# Altium PCB PCB2.PcbDoc (part 4 of 5)
Units mm, origin at the board's own origin, x right, y up, seen from the top; angles counter-clockwise.
Board outline 100 x 100 mm, 4 copper layers (Top Layer, Int1 (GND), Int2 (PWR), Bottom Layer), stack 1.605 mm thick; 304 components, 271 nets, 993 pads, 338 vias.
Unrouted connection lines stored in the file: 123.
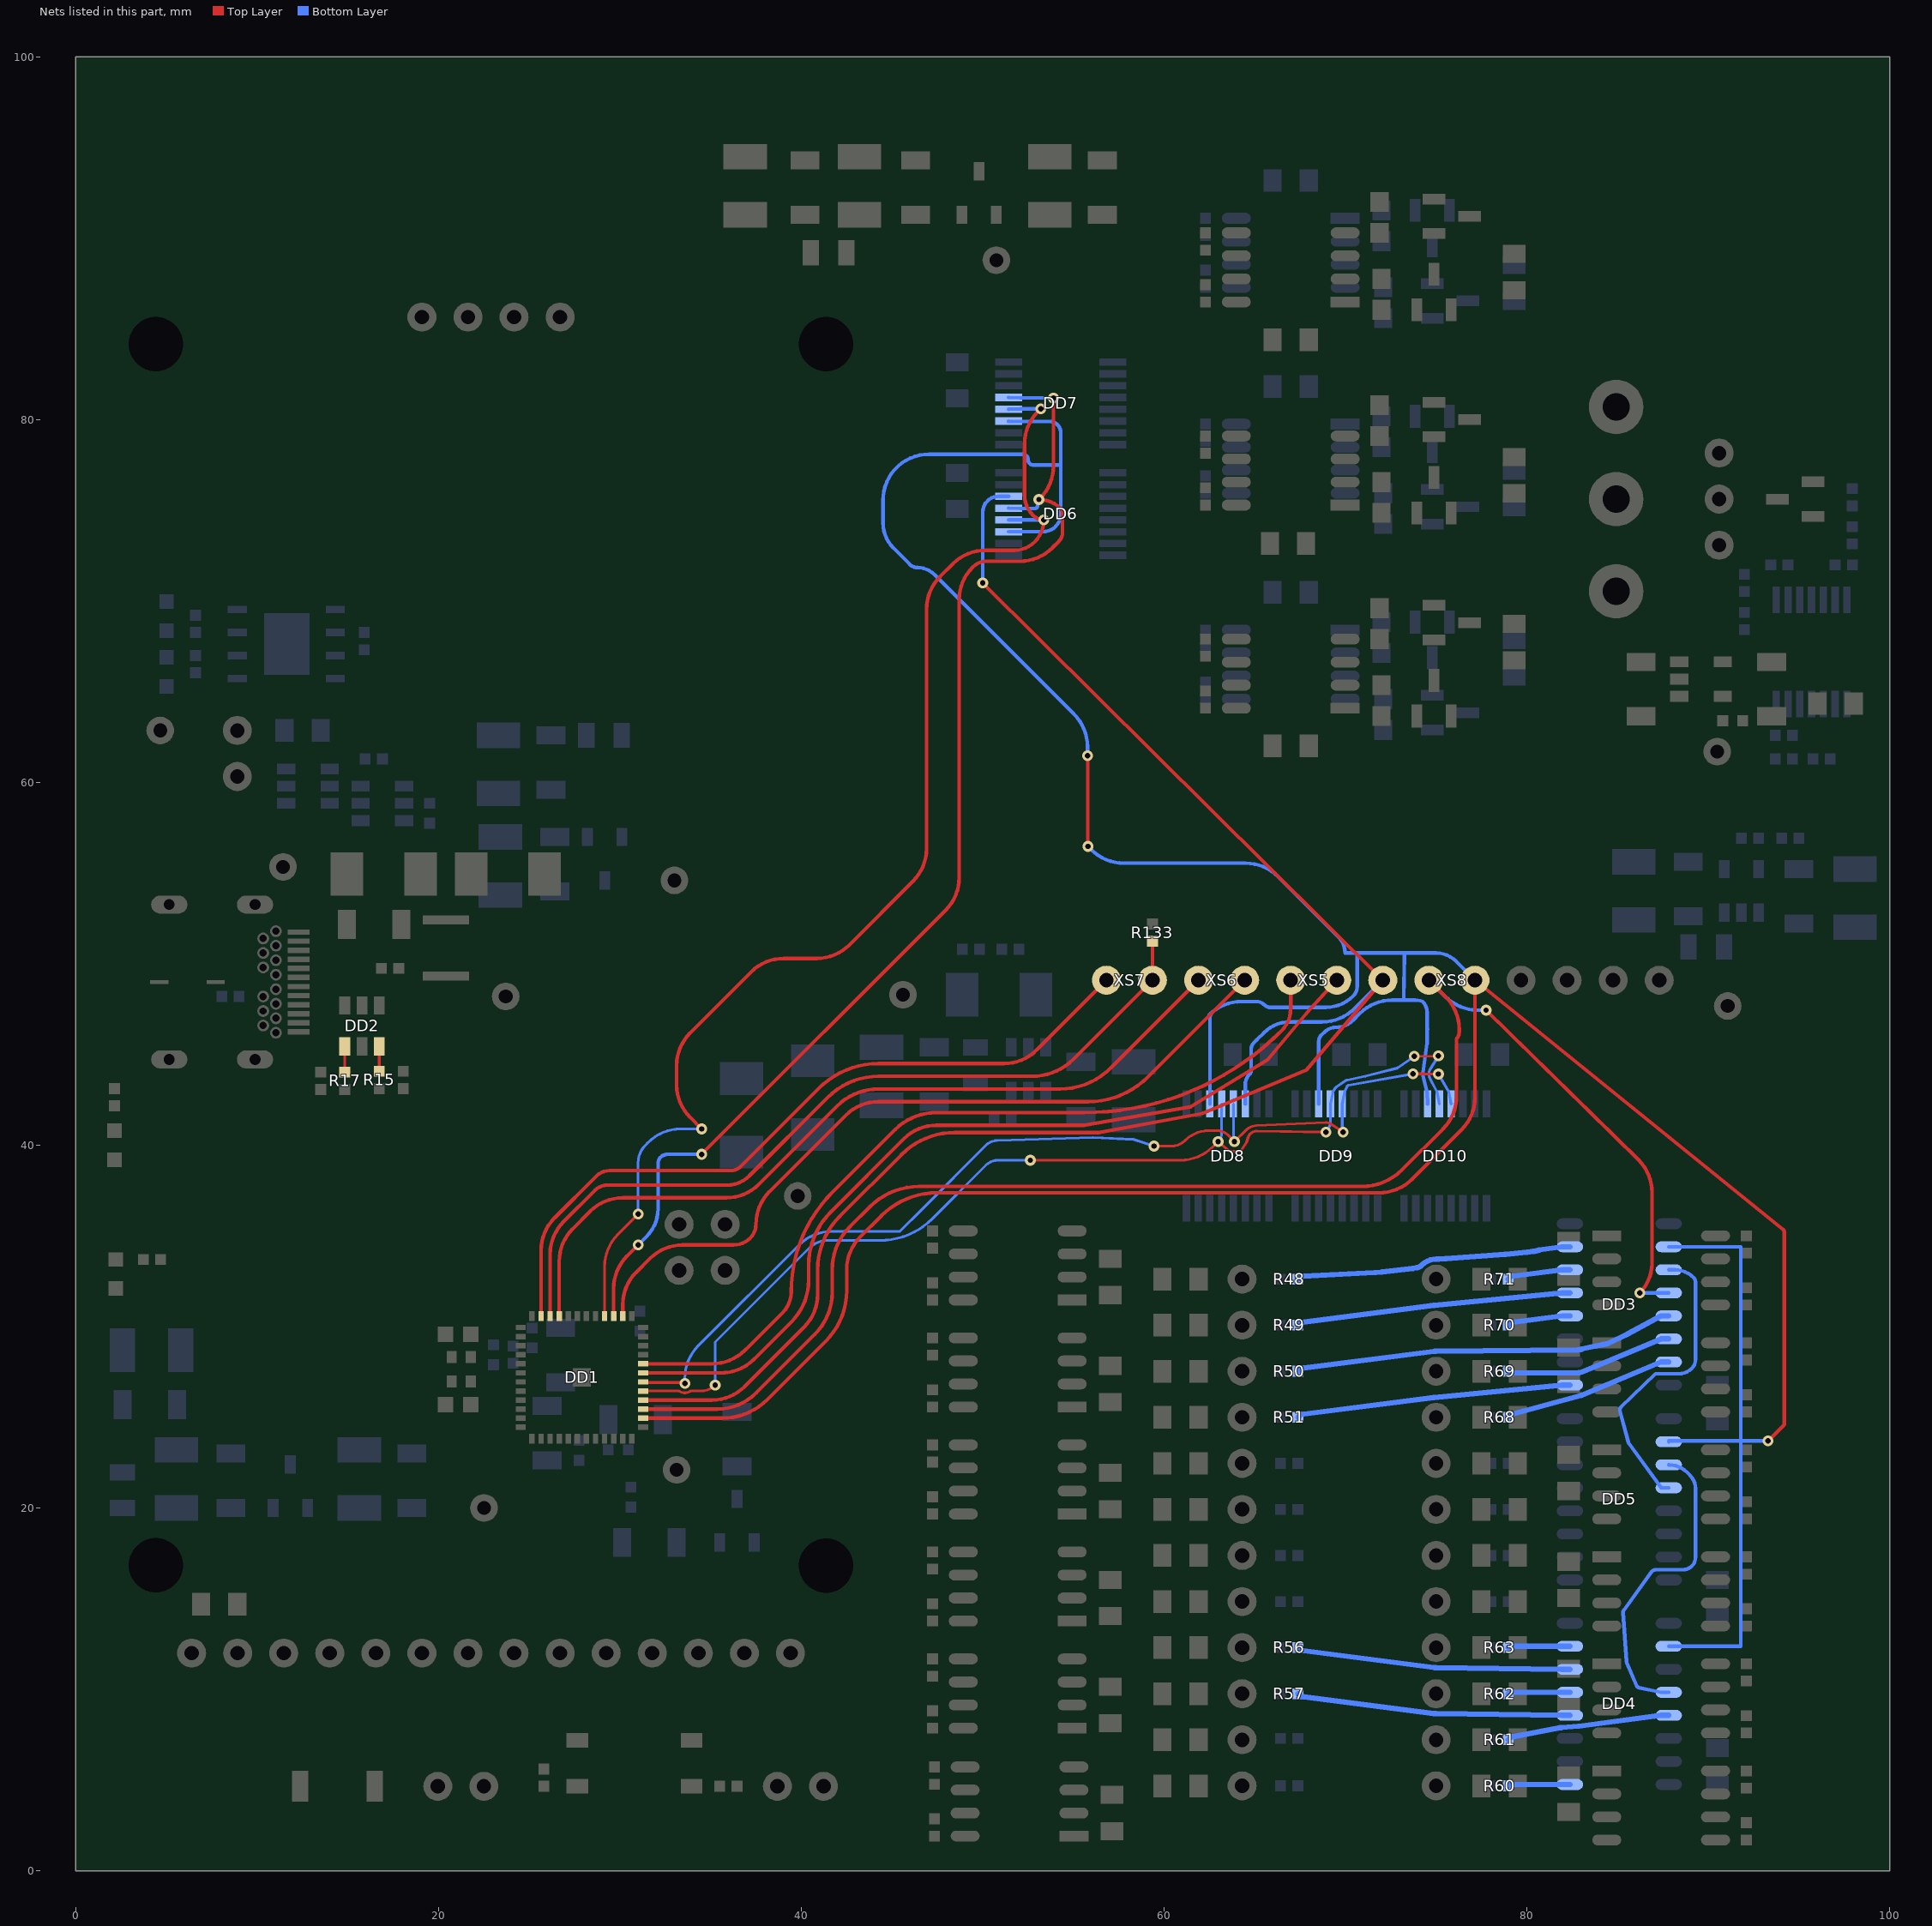
[diagram p6: the nets of this part, all layers, seen from the top]

## Via types
v1: diameter 1, hole 0.5, Top Layer to Bottom Layer, 163 vias
v2: diameter 0.6, hole 0.3, Top Layer to Bottom Layer, tented both sides, 102 vias
v3: diameter 0.8, hole 0.4, Top Layer to Bottom Layer, tented both sides, 73 vias

## Nets (pads, with @x,y where several pads share a name; then routed paths per layer and width w, separated by ;. In a path a pad name is that pad's centre, name@x,y a point inside that pad or via, vN(x,y) a via of type N, cw(c..) or ccw(c..) an arc to the next point about the centre after c; other vN are vias at no path point) (continued)
NetDD1_26: DD1.26 DD3.10 DD4.10 DD5.10 DD6.11 DD7.11 DD8.11 DD9.11 DD10.11 XS8.2 | length 267.6
  Top Layer w0.2: DD1.26@31.275,24.95 35.631,24.95 ccw(c35.631,28.49) 38.135,25.987 41.347,29.2 ccw(c38.565,31.982) 42.5,31.982 42.5,33.148 ; v2(55.775,61.475) 55.787,61.463 55.787,56.488 v2(55.8,56.475) ; v2(93.3,23.7) 94.2,24.6 94.2,35.203 ; 42.5,33.148 cw(c45.04,33.148) 43.244,34.944 ; 42.5,33.148 cw(c45.04,33.148) 43.244,34.944 ; 42.5,33.148 cw(c45.04,33.148) 43.244,34.944 ; 42.5,33.148 cw(c45.04,33.148) 43.244,34.944 ; 42.5,33.148 cw(c45.04,33.148) 43.244,34.944 ; 42.5,33.148 cw(c45.04,33.148) 43.244,34.944 ; 42.5,33.148 cw(c45.04,33.148) 43.244,34.944 ; 42.5,33.148 cw(c45.04,33.148) 43.244,34.944 ; 43.244,34.944 44.406,36.106 cw(c47.47,33.043) 47.47,37.375 71.835,37.375 ccw(c71.835,40.005) 73.695,38.145 76.396,40.846 ccw(c74.6,42.642) 77.14,42.642 XS8.2@77.14,49.1 94.125,35.361 ; 94.126,35.36 cw(c93.998,35.206) 94.173,35.304 ; 94.126,35.36 cw(c93.998,35.206) 94.173,35.304 ; 94.126,35.36 cw(c93.998,35.206) 94.173,35.304 ; 94.126,35.36 cw(c93.998,35.206) 94.173,35.304 ; 94.126,35.36 cw(c93.998,35.206) 94.173,35.304 ; 94.126,35.36 cw(c93.998,35.206) 94.173,35.304 ; 94.126,35.36 cw(c93.998,35.206) 94.173,35.304 ; 94.126,35.36 cw(c93.998,35.206) 94.173,35.304 ; 94.173,35.304 94.174,35.301 ; 94.174,35.301 cw(c94,35.203) 94.2,35.203 ; 94.174,35.301 cw(c94,35.203) 94.2,35.203 ; 94.174,35.301 cw(c94,35.203) 94.2,35.203 ; 94.174,35.301 cw(c94,35.203) 94.2,35.203 ; 94.174,35.301 cw(c94,35.203) 94.2,35.203 ; 94.174,35.301 cw(c94,35.203) 94.2,35.203 ; 94.174,35.301 cw(c94,35.203) 94.2,35.203 ; 94.174,35.301 cw(c94,35.203) 94.2,35.203
  Bottom Layer w0.2: DD6.11@51.425,73.825 53.325,73.825 ; DD7.11@51.425,79.925 ccw(c51.45,79.925) 51.45,79.9 53.7,79.9 ; v2(55.775,61.475) 55.775,61.973 ; v2(55.8,56.475) v2@55.981,56.294 ; 62.481,47.181 cw(c64.277,45.385) 62.681,47.361 ; DD8.11@62.525,42.275 62.525,46.984 cw(c63.059,46.984) 62.681,47.361 ; DD9.11@68.525,42.275 68.525,45.719 cw(c69.023,45.719) 68.671,46.071 68.835,46.235 cw(c69.475,45.595) 69.475,46.5 ccw(c69.475,47.828) 70.414,46.889 70.781,47.256 cw(c72.577,45.46) 72.577,48 73.209,48 ; DD10.11@74.494,42.951 74.301,43.718 cw(c75.125,43.925) 74.283,44.04 74.498,45.606 74.498,46.335 ; DD10.11@74.5,42.911 DD10.11@74.525,42.275 ; 74.525,46.4 ccw(c74.59,46.335) 74.498,46.335 ; XS8.2@77.14,49.1 76.092,50.148 ; DD4.10@87.825,12.375 91.8,12.375 91.8,23.7 ; DD5.10@87.825,23.65 87.825,23.7 91.8,23.7 ; DD3.10@87.825,34.4 91.8,34.4 91.8,23.7 ; v2(93.3,23.7) 91.8,23.7 ; 52.2,78.1 cw(c52.2,77.8) 52.5,77.8 ; 52.2,78.1 cw(c52.2,77.8) 52.5,77.8 ; 52.2,78.1 47.04,78.1 ccw(c47.04,75.56) 44.5,75.56 44.5,74.313 ccw(c46.463,74.313) 45.075,72.925 45.973,72.027 ccw(c46.4,72.454) 46.4,71.85 cw(c46.4,70.522) 47.339,71.461 55.031,63.769 ; 52.5,77.8 ccw(c52.8,77.8) 52.8,77.5 ; 52.5,77.8 ccw(c52.8,77.8) 52.8,77.5 ; 52.8,77.5 54.3,77.5 ; 53.325,73.825 ccw(c53.325,74.8) 54.3,74.8 ; 53.325,73.825 ccw(c53.325,74.8) 54.3,74.8 ; 53.7,79.9 cw(c53.7,79.3) 54.3,79.3 ; 53.7,79.9 cw(c53.7,79.3) 54.3,79.3 ; 54.3,74.8 54.3,77.5 ; 54.3,77.5 54.3,79.3 ; 55.031,63.769 cw(c53.235,61.973) 55.775,61.973 ; 55.031,63.769 cw(c53.235,61.973) 55.775,61.973 ; v2@55.981,56.294 ccw(c57.777,58.09) 57.777,55.55 ; v2@55.981,56.294 ccw(c57.777,58.09) 57.777,55.55 ; 57.777,55.55 64.498,55.55 cw(c64.498,53.01) 66.294,54.806 69.604,51.496 cw(c68.708,50.6) 69.975,50.6 70.65,50.6 ; 62.681,47.361 cw(c64.277,45.385) 64.277,47.925 65.068,47.925 cw(c65.068,47.243) 65.55,47.725 ccw(c65.852,48.028) 65.852,47.6 68.916,47.6 ccw(c68.916,49.734) 70.425,48.225 ccw(c69.882,48.768) 70.65,48.768 70.65,50.6 ; 70.65,50.6 73.25,50.6 ; 73.209,48 73.84,48 cw(c73.84,46.89) 74.253,47.92 cw(c73.662,47.329) 74.498,47.329 74.498,46.335 ; 73.209,48 73.25,50.6 ; 73.25,50.6 75,50.6 ; 75,50.6 cw(c75,49.055) 76.092,50.148 ; 75,50.6 cw(c75,49.055) 76.092,50.148 ; 75,50.6 cw(c75,49.055) 76.092,50.148 ; 75,50.6 cw(c75,49.055) 76.092,50.148 ; 75,50.6 cw(c75,49.055) 76.092,50.148 ; 75,50.6 cw(c75,49.055) 76.092,50.148 ; 75,50.6 cw(c75,49.055) 76.092,50.148 ; 75,50.6 cw(c75,49.055) 76.092,50.148
NetDD1_27: DD1.27 DD3.12 XS8.3 | length 114.7
  Top Layer w0.2: DD1.27@31.275,25.45 35.352,25.45 ; XS8.3@74.6,49.1 75.531,48.169 cw(c73.735,46.373) 76.275,46.373 76.275,46.237 cw(c75.763,46.237) 76.125,45.875 76.125,42.702 ; v2(77.75,47.45) 86.156,39.194 cw(c84.36,37.398) 86.9,37.398 86.9,33.49 cw(c84.595,33.49) v2(86.225,31.86) ; 35.352,25.45 ccw(c35.352,28.49) 37.502,26.34 ; 35.352,25.45 ccw(c35.352,28.49) 37.502,26.34 ; 35.352,25.45 ccw(c35.352,28.49) 37.502,26.34 ; 35.352,25.45 ccw(c35.352,28.49) 37.502,26.34 ; 35.352,25.45 ccw(c35.352,28.49) 37.502,26.34 ; 35.352,25.45 ccw(c35.352,28.49) 37.502,26.34 ; 35.352,25.45 ccw(c35.352,28.49) 37.502,26.34 ; 35.352,25.45 ccw(c35.352,28.49) 37.502,26.34 ; 37.502,26.34 40.752,29.59 ccw(c38.463,31.88) 41.7,31.88 41.7,33.148 ; 41.7,33.148 cw(c45.04,33.148) 42.678,35.51 ; 41.7,33.148 cw(c45.04,33.148) 42.678,35.51 ; 41.7,33.148 cw(c45.04,33.148) 42.678,35.51 ; 41.7,33.148 cw(c45.04,33.148) 42.678,35.51 ; 42.678,35.51 43.775,36.606 cw(c46.476,33.905) 46.476,37.725 70.898,37.725 ccw(c70.898,40.868) 73.12,38.645 75.381,40.906 ; 75.381,40.906 ccw(c73.585,42.702) 76.125,42.702 ; 75.381,40.906 ccw(c73.585,42.702) 76.125,42.702
  Bottom Layer w0.2: XS8.3@74.6,49.1 75.506,48.194 ; v2(77.75,47.45) 77.302,47.45 ; v2@86.025,31.86 v2(86.225,31.86) DD3.12@87.825,31.86 ; 75.506,48.194 ccw(c77.302,49.99) 77.302,47.45 ; 75.506,48.194 ccw(c77.302,49.99) 77.302,47.45
NetDD1_28: DD1.28 DD6.14 DD8.14 XS8.4 | length 170.3
  Top Layer w0.2: DD1.28@31.275,25.95 35.073,25.95 ; v2(50,71) XS8.4@72.06,49.1 67.83,44.131 62.104,41.746 56.401,40.7 48.452,40.7 ccw(c48.452,36.56) 45.525,39.487 42.113,36.075 ; 35.073,25.95 ccw(c35.073,28.49) 36.869,26.694 ; 35.073,25.95 ccw(c35.073,28.49) 36.869,26.694 ; 35.073,25.95 ccw(c35.073,28.49) 36.869,26.694 ; 35.073,25.95 ccw(c35.073,28.49) 36.869,26.694 ; 35.073,25.95 ccw(c35.073,28.49) 36.869,26.694 ; 35.073,25.95 ccw(c35.073,28.49) 36.869,26.694 ; 35.073,25.95 ccw(c35.073,28.49) 36.869,26.694 ; 35.073,25.95 ccw(c35.073,28.49) 36.869,26.694 ; 36.869,26.694 40.156,29.981 ; 40.156,29.981 ccw(c38.36,31.777) 40.9,31.777 ; 40.156,29.981 ccw(c38.36,31.777) 40.9,31.777 ; 40.156,29.981 ccw(c38.36,31.777) 40.9,31.777 ; 40.156,29.981 ccw(c38.36,31.777) 40.9,31.777 ; 40.156,29.981 ccw(c38.36,31.777) 40.9,31.777 ; 40.156,29.981 ccw(c38.36,31.777) 40.9,31.777 ; 40.156,29.981 ccw(c38.36,31.777) 40.9,31.777 ; 40.156,29.981 ccw(c38.36,31.777) 40.9,31.777 ; 40.9,31.777 40.9,33.148 ; 40.9,33.148 cw(c45.04,33.148) 42.113,36.075 ; 40.9,33.148 cw(c45.04,33.148) 42.113,36.075 ; 40.9,33.148 cw(c45.04,33.148) 42.113,36.075 ; 40.9,33.148 cw(c45.04,33.148) 42.113,36.075 ; 40.9,33.148 cw(c45.04,33.148) 42.113,36.075 ; 40.9,33.148 cw(c45.04,33.148) 42.113,36.075 ; 40.9,33.148 cw(c45.04,33.148) 42.113,36.075 ; 40.9,33.148 cw(c45.04,33.148) 42.113,36.075
  Bottom Layer w0.2: v2(50,71) 50,74.9 ; DD6.14@51.425,75.775 DD6.14@50.875,75.775 ; DD8.14@64.475,42.275 64.475,43.357 ; XS8.4@72.06,49.1 70.504,47.544 cw(c68.708,49.34) 68.708,46.8 66.949,46.8 ; 50,74.9 cw(c50.875,74.9) DD6.14@50.875,75.775 ; 50,74.9 cw(c50.875,74.9) DD6.14@50.875,75.775 ; 64.475,43.357 cw(c65.243,43.357) 64.7,43.9 ; 64.475,43.357 cw(c65.243,43.357) 64.7,43.9 ; 64.475,43.357 cw(c65.243,43.357) 64.7,43.9 ; 64.475,43.357 cw(c65.243,43.357) 64.7,43.9 ; 64.475,43.357 cw(c65.243,43.357) 64.7,43.9 ; 64.475,43.357 cw(c65.243,43.357) 64.7,43.9 ; 64.475,43.357 cw(c65.243,43.357) 64.7,43.9 ; 64.475,43.357 cw(c65.243,43.357) 64.7,43.9 ; 64.7,43.9 ccw(c64.459,44.141) 64.8,44.141 ; 64.7,43.9 ccw(c64.459,44.141) 64.8,44.141 ; 64.7,43.9 ccw(c64.459,44.141) 64.8,44.141 ; 64.7,43.9 ccw(c64.459,44.141) 64.8,44.141 ; 64.7,43.9 ccw(c64.459,44.141) 64.8,44.141 ; 64.7,43.9 ccw(c64.459,44.141) 64.8,44.141 ; 64.7,43.9 ccw(c64.459,44.141) 64.8,44.141 ; 64.7,43.9 ccw(c64.459,44.141) 64.8,44.141 ; 64.8,44.141 64.8,45.3 cw(c65.283,45.3) 64.941,45.641 65.067,45.767 ; 65.067,45.767 ccw(c64.925,45.908) 65.08,45.782 ; 65.067,45.767 ccw(c64.925,45.908) 65.08,45.782 ; 65.067,45.767 ccw(c64.925,45.908) 65.08,45.782 ; 65.067,45.767 ccw(c64.925,45.908) 65.08,45.782 ; 65.067,45.767 ccw(c64.925,45.908) 65.08,45.782 ; 65.067,45.767 ccw(c64.925,45.908) 65.08,45.782 ; 65.067,45.767 ccw(c64.925,45.908) 65.08,45.782 ; 65.067,45.767 ccw(c64.925,45.908) 65.08,45.782 ; 65.08,45.782 cw(c65.275,45.625) 65.118,45.82 ; 65.08,45.782 cw(c65.275,45.625) 65.118,45.82 ; 65.08,45.782 cw(c65.275,45.625) 65.118,45.82 ; 65.08,45.782 cw(c65.275,45.625) 65.118,45.82 ; 65.08,45.782 cw(c65.275,45.625) 65.118,45.82 ; 65.08,45.782 cw(c65.275,45.625) 65.118,45.82 ; 65.08,45.782 cw(c65.275,45.625) 65.118,45.82 ; 65.08,45.782 cw(c65.275,45.625) 65.118,45.82 ; 65.119,45.82 ccw(c64.992,45.975) 65.133,45.833 65.5,46.2 ; 65.5,46.2 cw(c66.949,44.751) 66.949,46.8 ; 65.5,46.2 cw(c66.949,44.751) 66.949,46.8 ; 65.5,46.2 cw(c66.949,44.751) 66.949,46.8 ; 65.5,46.2 cw(c66.949,44.751) 66.949,46.8 ; 65.5,46.2 cw(c66.949,44.751) 66.949,46.8 ; 65.5,46.2 cw(c66.949,44.751) 66.949,46.8 ; 65.5,46.2 cw(c66.949,44.751) 66.949,46.8 ; 65.5,46.2 cw(c66.949,44.751) 66.949,46.8
NetDD1_29: DD1.29 DD8.12 DD9.12 DD10.12 | length 81.2
  Top Layer w0.15: DD1.29@31.275,26.45 33.222,26.45 ; v2@52.65,39.175 60.898,39.175 ; 63.558,39.71 v2(62.975,40.2) 62.694,39.919 ; 63.559,39.71 ccw(c63.655,39.825) 63.655,39.675 64.144,39.675 ; v2(68.925,40.725) 65.133,40.785 ; v2(73.8,44.9) v2(75.125,44.925) ; 33.222,26.45 cw(c33.221,26.3) 33.3,26.428 ; 33.222,26.45 cw(c33.221,26.3) 33.299,26.428 ; 33.3,26.428 ccw(c33.575,26.875) 33.851,26.428 ; 33.851,26.428 cw(c33.929,26.3) 33.928,26.45 ; 33.851,26.428 cw(c33.929,26.3) 33.928,26.45 ; 33.928,26.45 34.465,26.45 ; 34.465,26.45 ccw(c34.465,27.56) v2(35.25,26.775) cw(c34.465,27.56) 34.465,26.45 ; 60.898,39.175 ccw(c60.898,41.715) 62.694,39.919 ; 60.898,39.175 ccw(c60.898,41.715) 62.694,39.919 ; 64.144,39.675 ccw(c64.144,39.825) 64.269,39.743 ; 64.144,39.675 ccw(c64.144,39.825) 64.269,39.743 ; 64.144,39.675 ccw(c64.144,39.825) 64.269,39.743 ; 64.144,39.675 ccw(c64.144,39.825) 64.269,39.743 ; 64.269,39.743 64.55,40.175 64.623,40.414 ; 64.623,40.414 cw(c65.125,40.26) 65.133,40.785 ; 64.623,40.414 cw(c65.125,40.26) 65.133,40.785 ; 64.623,40.414 cw(c65.125,40.26) 65.133,40.785 ; 64.623,40.414 cw(c65.125,40.26) 65.133,40.785 ; 64.623,40.414 cw(c65.125,40.26) 65.133,40.785 ; 64.623,40.414 cw(c65.125,40.26) 65.133,40.785 ; 64.623,40.414 cw(c65.125,40.26) 65.133,40.785 ; 64.623,40.414 cw(c65.125,40.26) 65.133,40.785
  Bottom Layer w0.15: v2(35.25,26.775) 35.25,28.548 35.25,29.15 35.676,29.576 40.424,34.324 cw(c41.452,33.296) 41.452,34.75 44.323,34.75 ccw(c44.323,38.859) 47.229,35.954 50.166,38.891 cw(c50.852,38.204) 50.852,39.175 v2(52.625,39.175) ; DD8.12@63.175,42.275 63.175,40.683 ; 72.824,44.243 71.092,43.798 70.114,43.598 ; v2(73.8,44.9) 72.872,44.265 ; v2(75.125,44.925) 74.678,44.201 ; DD10.12@75.175,42.275 75.045,42.94 74.659,43.683 ; v2(62.975,40.2) ccw(c62.492,40.683) 63.175,40.683 ; v2(62.975,40.2) ccw(c62.492,40.683) 63.175,40.683 ; v2(62.975,40.2) ccw(c62.492,40.683) 63.175,40.683 ; v2(62.975,40.2) ccw(c62.492,40.683) 63.175,40.683 ; v2(62.975,40.2) ccw(c62.492,40.683) 63.175,40.683 ; v2(62.975,40.2) ccw(c62.492,40.683) 63.175,40.683 ; v2(62.975,40.2) ccw(c62.492,40.683) 63.175,40.683 ; v2(62.975,40.2) ccw(c62.492,40.683) 63.175,40.683 ; v2(68.925,40.725) ccw(c68.321,41.329) 69.175,41.329 ; v2(68.925,40.725) ccw(c68.321,41.329) 69.175,41.329 ; v2(68.925,40.725) ccw(c68.321,41.329) 69.175,41.329 ; v2(68.925,40.725) ccw(c68.321,41.329) 69.175,41.329 ; v2(68.925,40.725) ccw(c68.321,41.329) 69.175,41.329 ; v2(68.925,40.725) ccw(c68.321,41.329) 69.175,41.329 ; v2(68.925,40.725) ccw(c68.321,41.329) 69.175,41.329 ; v2(68.925,40.725) ccw(c68.321,41.329) 69.175,41.329 ; 69.175,41.329 DD9.12@69.175,42.275 69.305,42.94 69.43,43.136 ; 69.43,43.136 cw(c69.62,43.015) 69.489,43.198 ; 69.43,43.136 cw(c69.62,43.015) 69.489,43.198 ; 69.43,43.136 cw(c69.62,43.015) 69.489,43.198 ; 69.43,43.136 cw(c69.62,43.015) 69.489,43.198 ; 69.43,43.136 cw(c69.62,43.015) 69.488,43.197 ; 69.43,43.136 cw(c69.62,43.015) 69.488,43.197 ; 69.43,43.136 cw(c69.62,43.015) 69.488,43.197 ; 69.43,43.136 cw(c69.62,43.015) 69.488,43.197 ; 69.489,43.198 69.942,43.523 ; 69.942,43.523 cw(c70.204,43.157) 70.114,43.598 ; 69.942,43.523 cw(c70.204,43.157) 70.114,43.598 ; 69.942,43.523 cw(c70.204,43.157) 70.114,43.598 ; 69.942,43.523 cw(c70.204,43.157) 70.114,43.598 ; 69.942,43.523 cw(c70.204,43.157) 70.114,43.598 ; 69.942,43.523 cw(c70.204,43.157) 70.114,43.598 ; 69.942,43.523 cw(c70.204,43.157) 70.114,43.598 ; 69.942,43.523 cw(c70.204,43.157) 70.114,43.598 ; 72.872,44.265 cw(c72.787,44.389) 72.825,44.244 ccw(c72.787,44.389) 72.872,44.265 ; 74.659,43.683 cw(c75.125,43.925) 74.678,44.201 ; 74.659,43.683 cw(c75.125,43.925) 74.678,44.201 ; 74.659,43.683 cw(c75.125,43.925) 74.678,44.201 ; 74.659,43.683 cw(c75.125,43.925) 74.678,44.201 ; 74.659,43.683 cw(c75.125,43.925) 74.678,44.201 ; 74.659,43.683 cw(c75.125,43.925) 74.678,44.201 ; 74.659,43.683 cw(c75.125,43.925) 74.678,44.201 ; 74.659,43.683 cw(c75.125,43.925) 74.678,44.201
NetDD1_30: DD1.30 DD8.13 DD9.13 DD10.13 | length 66.3
  Top Layer w0.15: DD1.30@31.275,26.95 31.312,26.913 33.537,26.913 v2(33.575,26.875) ; v2(59.45,39.95) 60.39,39.95 ; v2(69.875,40.725) 69.215,41.163 ccw(c68.925,40.725) 68.902,41.25 65.089,41.085 ; v2(73.725,43.937) 74.321,43.94 ; 74.325,43.94 v2(75.125,43.925) ; 60.39,39.95 ccw(c60.39,41.06) 61.175,40.275 ; 60.39,39.95 ccw(c60.39,41.06) 61.175,40.275 ; 61.175,40.275 cw(c62.442,39.008) 62.442,40.8 ; 61.175,40.275 cw(c62.442,39.008) 62.442,40.8 ; 62.442,40.8 62.95,40.8 ; 62.95,40.8 cw(c62.95,40.015) 63.505,40.57 ; 62.95,40.8 cw(c62.95,40.015) 63.505,40.57 ; 63.505,40.57 v2(63.875,40.2) 64.552,40.854 ; 64.552,40.854 cw(c65.125,40.26) 65.089,41.085 ; 64.552,40.854 cw(c65.125,40.26) 65.089,41.085 ; 64.552,40.854 cw(c65.125,40.26) 65.089,41.085 ; 64.552,40.854 cw(c65.125,40.26) 65.089,41.085 ; 64.552,40.854 cw(c65.125,40.26) 65.089,41.085 ; 64.552,40.854 cw(c65.125,40.26) 65.089,41.085 ; 64.552,40.854 cw(c65.125,40.26) 65.089,41.085 ; 64.552,40.854 cw(c65.125,40.26) 65.089,41.085 ; 74.321,43.94 cw(c74.322,43.79) 74.324,43.94 ; 74.321,43.94 cw(c74.322,43.79) 74.324,43.94 ; 74.321,43.94 cw(c74.322,43.79) 74.324,43.94 ; 74.321,43.94 cw(c74.322,43.79) 74.324,43.94 ; 74.321,43.94 cw(c74.322,43.79) 74.324,43.94 ; 74.321,43.94 cw(c74.322,43.79) 74.324,43.94 ; 74.321,43.94 cw(c74.322,43.79) 74.324,43.94 ; 74.321,43.94 cw(c74.322,43.79) 74.324,43.94
  Bottom Layer w0.15: v2(33.575,26.875) 33.575,27.148 cw(c36.115,27.148) 34.319,28.944 39.881,34.506 cw(c41.677,32.71) 41.677,35.25 43.698,35.25 45.425,35.25 46.646,36.471 50.164,39.989 cw(c50.808,39.346) 50.808,40.256 56.081,40.425 58.319,40.319 v2(59.45,39.95) v2@59.328,39.95 ; DD8.13@63.825,42.275 63.825,40.321 ccw(c63.996,40.321) v2(63.875,40.2) ; 70.079,43.24 ccw(c70.204,43.157) 70.065,43.213 69.955,42.94 DD9.13@69.825,42.275 v2@69.825,40.846 ; v2(73.725,43.937) 70.178,43.305 ; v2(75.125,43.925) 75.695,42.94 DD10.13@75.825,42.275 ; v2@69.825,40.846 ccw(c69.996,40.846) v2(69.875,40.725) ; v2@69.825,40.846 ccw(c69.996,40.846) v2(69.875,40.725) ; v2@69.825,40.846 ccw(c69.996,40.846) v2(69.875,40.725) ; v2@69.825,40.846 ccw(c69.996,40.846) v2(69.875,40.725) ; v2@69.825,40.846 ccw(c69.996,40.846) v2(69.875,40.725) ; v2@69.825,40.846 ccw(c69.996,40.846) v2(69.875,40.725) ; v2@69.825,40.846 ccw(c69.996,40.846) v2(69.875,40.725) ; v2@69.825,40.846 ccw(c69.996,40.846) v2(69.875,40.725) ; 70.08,43.241 cw(c70.204,43.157) 70.178,43.305 ; 70.08,43.241 cw(c70.204,43.157) 70.178,43.305 ; 70.08,43.241 cw(c70.204,43.157) 70.178,43.305 ; 70.08,43.241 cw(c70.204,43.157) 70.178,43.305 ; 70.08,43.241 cw(c70.204,43.157) 70.178,43.305 ; 70.08,43.241 cw(c70.204,43.157) 70.178,43.305 ; 70.08,43.241 cw(c70.204,43.157) 70.178,43.305 ; 70.08,43.241 cw(c70.204,43.157) 70.178,43.305
NetDD1_31: DD1.31 XS5.1 | length 105.2
  Top Layer w0.2: DD1.31@31.275,27.45 35.588,27.45 ; XS5.1@69.52,49.1 67.847,47.272 65.697,44.708 61.462,42.118 55.574,41.1 47.452,41.1 ; 35.588,27.45 ccw(c35.588,29.99) 35.937,27.474 ; 35.588,27.45 ccw(c35.588,29.99) 35.937,27.474 ; 35.588,27.45 ccw(c35.588,29.99) 35.937,27.474 ; 35.588,27.45 ccw(c35.588,29.99) 35.937,27.474 ; 35.588,27.45 ccw(c35.588,29.99) 35.937,27.474 ; 35.588,27.45 ccw(c35.588,29.99) 35.937,27.474 ; 35.588,27.45 ccw(c35.588,29.99) 35.937,27.474 ; 35.588,27.45 ccw(c35.588,29.99) 35.937,27.474 ; 35.937,27.474 ccw(c35.588,29.99) 37.384,28.194 ; 35.937,27.474 ccw(c35.588,29.99) 37.384,28.194 ; 35.937,27.474 ccw(c35.588,29.99) 37.384,28.194 ; 35.937,27.474 ccw(c35.588,29.99) 37.384,28.194 ; 35.937,27.474 ccw(c35.588,29.99) 37.384,28.194 ; 35.937,27.474 ccw(c35.588,29.99) 37.384,28.194 ; 35.937,27.474 ccw(c35.588,29.99) 37.384,28.194 ; 35.937,27.474 ccw(c35.588,29.99) 37.384,28.194 ; 37.384,28.194 37.537,28.347 ; 37.537,28.347 ccw(c35.248,30.64) 37.539,28.349 ; 37.537,28.347 ccw(c35.248,30.64) 37.539,28.349 ; 37.537,28.347 ccw(c35.248,30.64) 37.539,28.349 ; 37.537,28.347 ccw(c35.248,30.64) 37.539,28.349 ; 37.537,28.347 ccw(c35.248,30.64) 37.539,28.349 ; 37.537,28.347 ccw(c35.248,30.64) 37.539,28.349 ; 37.537,28.347 ccw(c35.248,30.64) 37.539,28.349 ; 37.537,28.347 ccw(c35.248,30.64) 37.539,28.349 ; 37.537,28.347 37.539,28.349 ; 37.539,28.349 39.451,30.261 ; 39.451,30.261 ccw(c37.16,32.552) 40.4,32.552 ; 39.451,30.261 ccw(c37.16,32.552) 40.4,32.552 ; 39.451,30.261 ccw(c37.16,32.552) 40.4,32.552 ; 39.451,30.261 ccw(c37.16,32.552) 40.4,32.552 ; 39.451,30.261 ccw(c37.16,32.552) 40.4,32.552 ; 39.451,30.261 ccw(c37.16,32.552) 40.4,32.552 ; 39.451,30.261 ccw(c37.16,32.552) 40.4,32.552 ; 39.451,30.261 ccw(c37.16,32.552) 40.4,32.552 ; 40.4,32.552 40.4,33.375 ; 40.4,33.375 cw(c44.563,33.376) 41.62,36.32 ; 40.4,33.375 cw(c44.563,33.376) 41.62,36.32 ; 40.4,33.375 cw(c44.563,33.376) 41.62,36.32 ; 40.4,33.375 cw(c44.563,33.376) 41.62,36.32 ; 40.4,33.375 cw(c44.563,33.376) 41.62,36.32 ; 40.4,33.375 cw(c44.563,33.376) 41.62,36.32 ; 40.4,33.375 cw(c44.563,33.376) 41.62,36.32 ; 40.4,33.375 cw(c44.563,33.376) 41.62,36.32 ; 41.62,36.32 45.656,40.356 ; 45.656,40.356 cw(c47.452,38.56) 47.452,41.1 ; 45.656,40.356 cw(c47.452,38.56) 47.452,41.1